# Altium PCB BEE_BOARD_PCB ASCII REV Project_PCB_Rev.Project_SCH_Rev.PcbDoc (part 2 of 3)
Units mm, origin at the board's own origin, x right, y up, seen from the top; angles counter-clockwise.
Board outline 57.11 x 51.96 mm, 8 copper layers (Top, GND_1, Signal_1, GND_2, PWR, Signal_2, GND_3, Bottom), stack 1.6 mm thick; 171 components, 98 nets, 601 pads, 290 vias.
Unrouted connection lines stored in the file: 8.
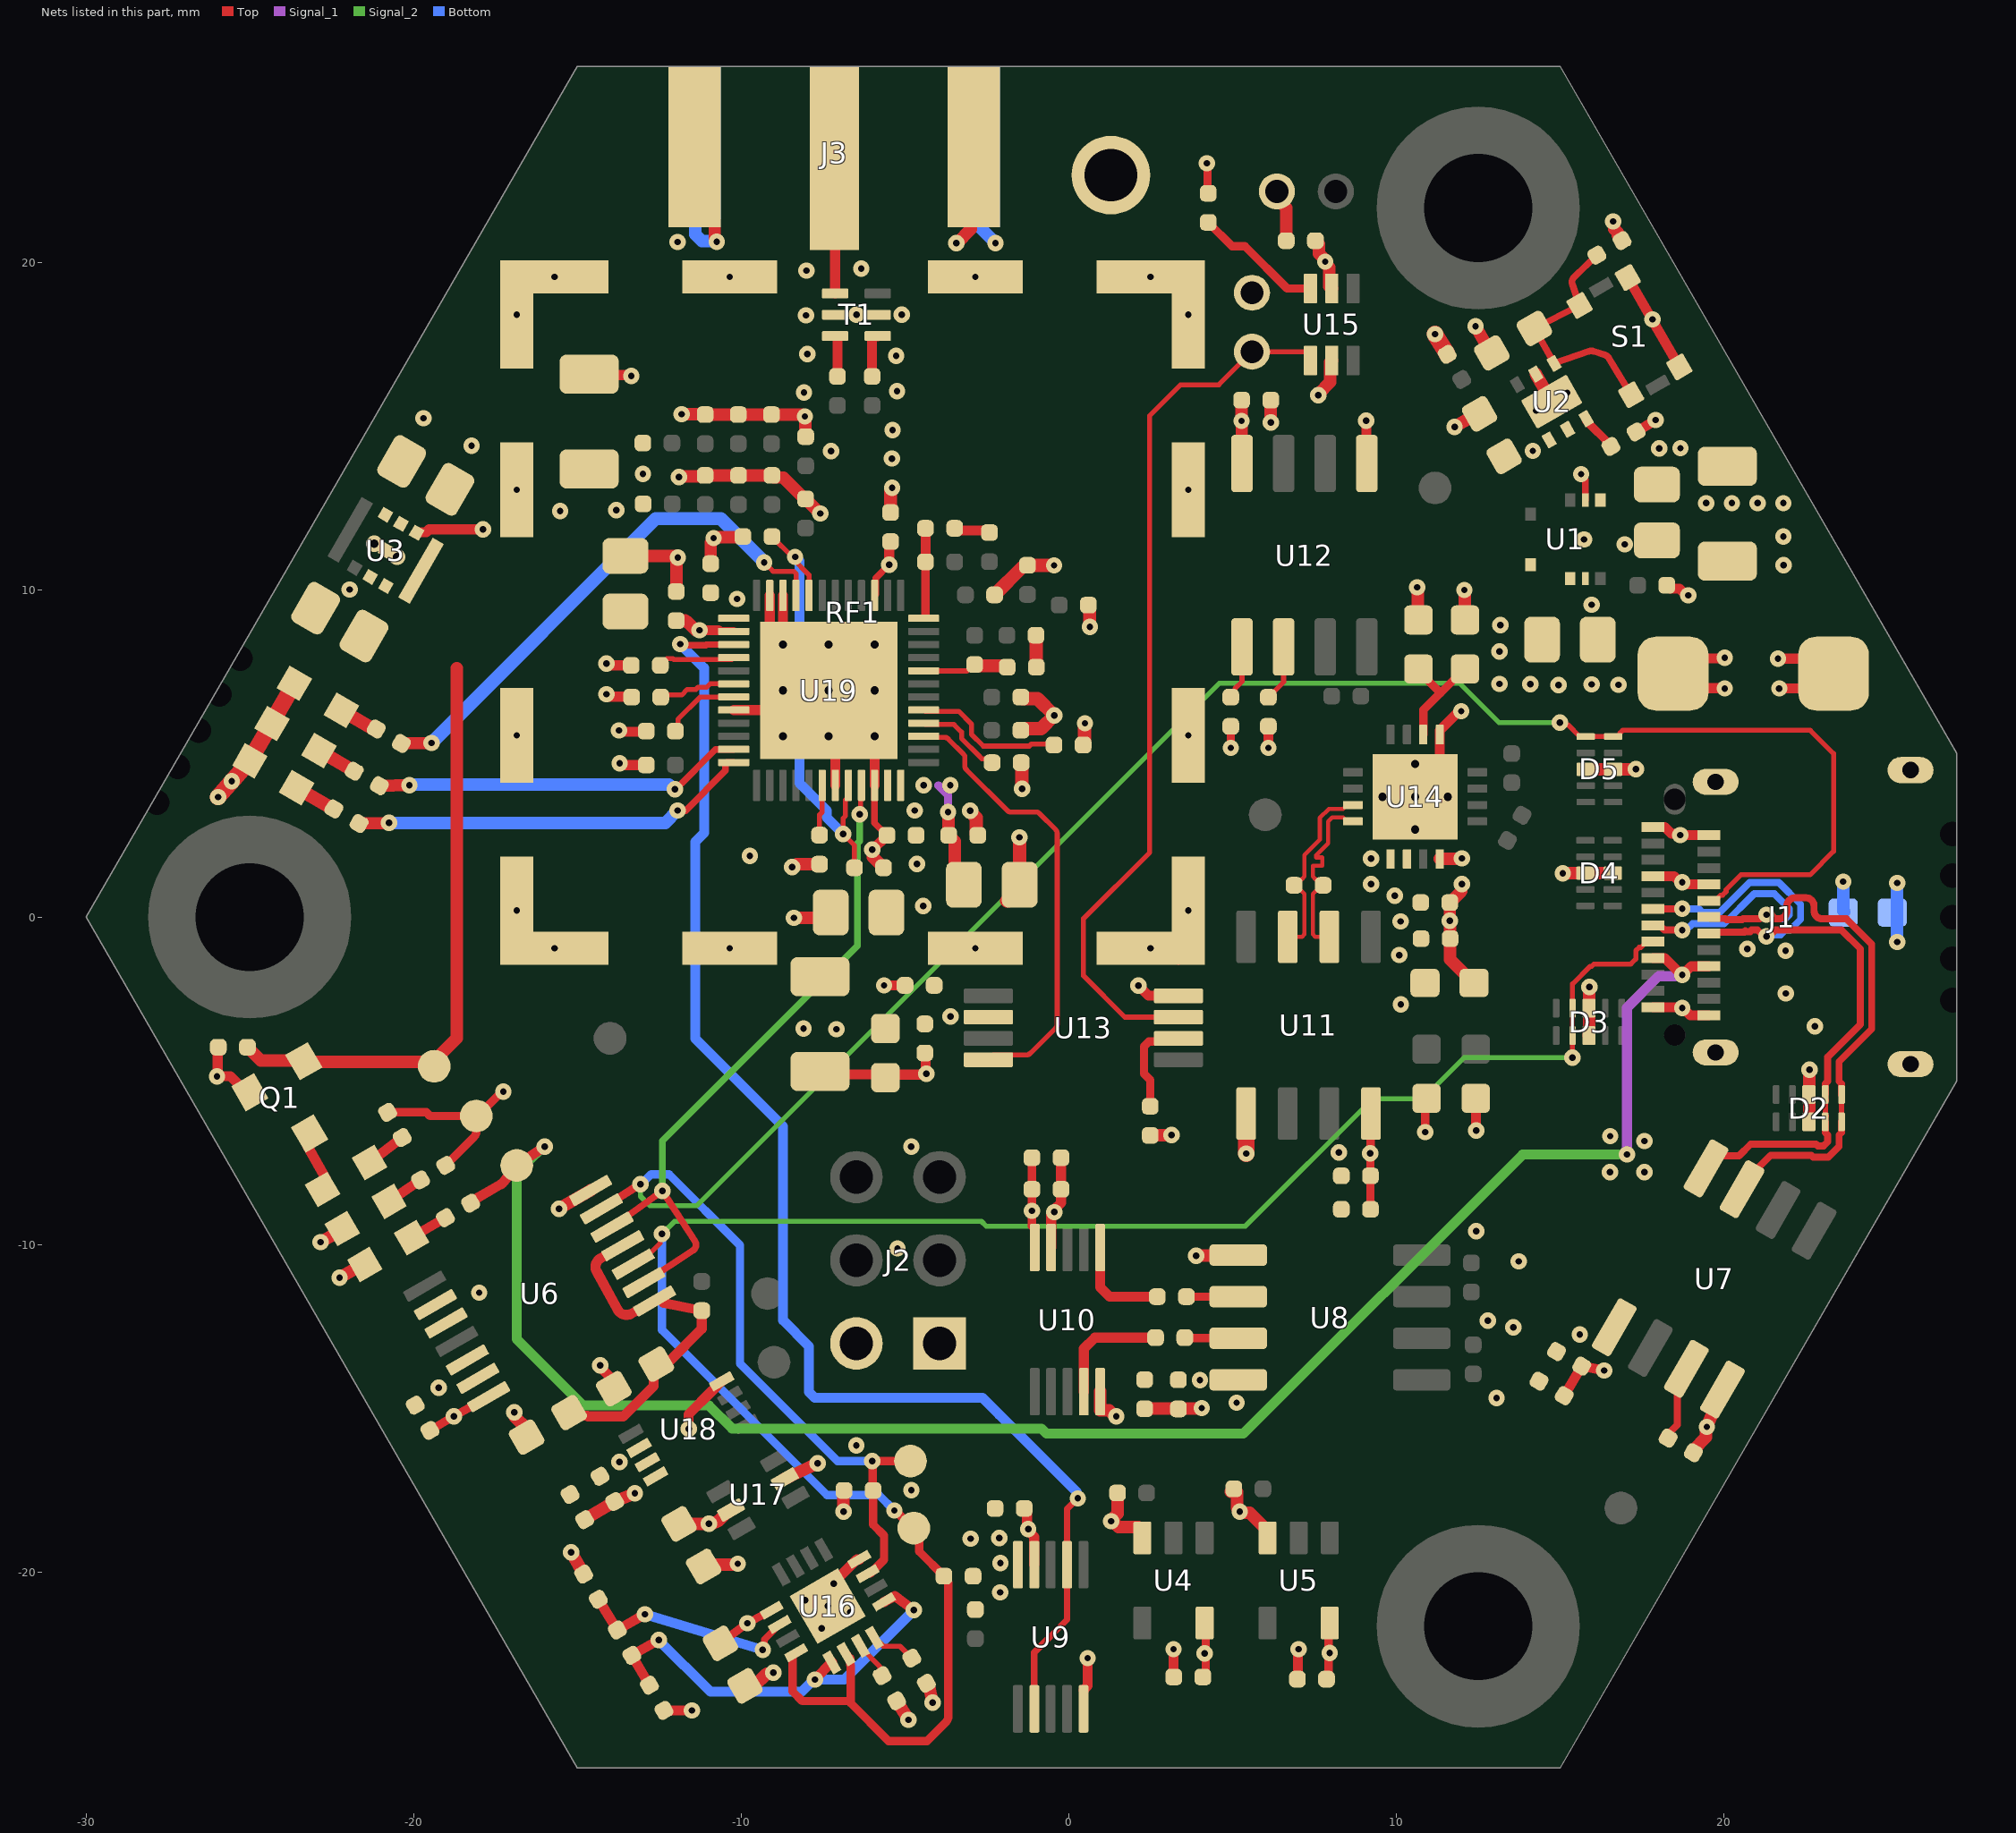
[diagram p8: the nets of this part, all layers, seen from the top]

## Part data
1V8 3V3 5V CC1 CC2 Pulse SEL SEL#: library part TPO_SMD_ROUND_1MM, "TPO - TEST POINT ROUND SMD PAD ONLY  - 1 MM"
C1 C36 C40: library part CAP_CER_CL31A226KAHNNNE, "CAP - CER 22uF 10% 25V X5R - 1206"
C2 C4 C19 C20 C24 C27 C32 C33: library part CAP_CER_C0603C105K8PACTU, "CAP - CER 1uF 10V 10% X5R - 0603"
C3 C7 C39 C45 C62: library part CAP_CER_C2012X7R1E475K125AE, "CAP - CER 4.7UF 10% 25V X7R - 0805"
C5 C8: library part CAP_CER_GRM21BR61C106KE15K, "CAP - CER 10UF 10% 16V X5R - 0805"
C6 C9 C10 C12 C16 C22 C25 C26 C29 C31 C34 C35 C37 C38 C41 C42 C43 C44 C47 C48 C49 C55 C56 C57 C58 C61 C63 C64 C66: library part CAP_CER_CGA2B3X7R1E104K050BB, "CAP - CER 0.1µF 10% 25V X7R - 0402"
C11 C13 C17 C46 C51: library part CAP_CER_CL05B103KA5NNNC, "CAP - CER 10nF 10% 25V X7R - 0402"
C14 C15 C21: library part CAP_CER_JMK105B7474KVHF, "CAP - CER 470nF 6.3V X7R - 0402"
C23 C28 C30 C50 C53: library part CAP_CER_CC0402KRX7R9BB102, "CAP - CER 1nF 10% 50V X7R - 0402"
C52 C54 C59 C60: library part CAP_CER_CC0402JRNPO9BN120, "CAP - CER 12pF 50V ±5% C0G, NP0 - 0402"
C65: library part CAP_CER_CC0402JRNPO9BN101, "CAP - CER 100pF 50V ±5% C0G,CP0 - 0402"
C67: library part CAP_CER_GRM1555C1H180GA01D, "CAP - CER 18pF 50V C0G, NPO - 0402"
C68: library part CAP_CER_CC0402JRNPO9BN270, "CAP - CER 27pF 50V ±5% C0G, NP0 - 0402"
C69: library part CAP_CER_C0402C129C5GACTU, "CAP - CER 1.2pF 50V ±0.25pF C0G, NP0 - 0402"
C70: library part CAP_CER_CC0402KRX7R9BB821, "CAP - CER 820pF 50V ±10% X7R - 0402"
CLK SYNC: library part TPO_TH_ROUND_0.7mm_DOUBLE, "TPO - TH round 0.7mm double - 2-SMD"
D1: library part TVS_PWR_SMBJ5.0A, "TVS - BIDIR 5V 9.2V 600W - DO214AA"
D2 D3 D4 D5: library part TVS_DATA_DT1140-04LP-7, "TVS - DIODE 5.5V 10V - 10-UFDFN"
D6 D7 D8 D9 D10 D11: library part LED_SML-D12P8WT86, "LED - GREEN DIFFUSED 0603 SMD - 0603"
FID1 FID2 FID3: library part FID_CIRCLE_1MM, "FID - FIDUCIAL 1MM CIRCLE DOUBLE-SIDED - 1MM"
GND: library part TPO_5011, "TPO - TEST POINT - TH"
J1: library part CON_USB_3.2_TypeC_12401598E4#2A, "CON_USB - USB 3.2 Gen 2 (USB 3.1 Gen 2, Superspeed + (USB 3.1)) 24 pos Receptacle - R/A"
J2: library part CON_HDR_10129381-906002BLF, "CON - Header 6 positions 3x2  0.100\" - 6-TH"
J3: library part CON_SMA_CONSMA020.062-G, "CON_SMA FML EDGE MNT 0.062\" PCB - 5-SMD"
L1 L2: library part FER_BLM15AG601SN1D, "FER - FERRITE BEAD 600 OHM@100MHz - 0402"
MB1 MB2: library part PNL_MOUSEBITES_100MIL_5-HOLES, "PNL - MOUSE BITES 100 MIL - 5-TH"
MTH1 MTH2 MTH3: library part MTH_M3, "MTH - MOUNTING HOLE M3 PLATED - M3"
Q1: library part TRX_NMOS_BSS138LT1G, "TRX - NMOS - 50V 200MA - SOT-23-3"
R1: library part RES_ERJ-2RKF4020X, "RES - 402R 1% 1/10W - 0402"
R2 R4 R32 R33 R34: library part RES_ERJ-2RKF4750X, "RES - 475R 1% 1/10W- 0402"
R3 R9 R12 R23 R24 R38 R39 R41: library part RES_RC0402FR-0710KL, "RES - 10K OHMS 1% 1/16W - 0402"
R5 R6: library part RES_RC0402FR-0784R5L, "RES - 84R5 1% 1/16W - 0402"
R7 R19 R20: library part RES_RC0402FR-071KL, "RES - 1K OHM 1% 1/16W - 0402"
R8 R25 R26 R27 R28 R29 R31 R40 R42 R43: library part RES_RC0402FR-07100KL, "RES - 100K 1% 1/16W - 0402"
R10 R11: library part RES_RC0402FR-0733RL, "RES - 33 OHM 1% 1/16W - 0402"
R13 R14 R15 R16 RS: library part RES_RC0603JR-070RL, "RES - 0 ohm jumper 1/10W - 0603"
R17 R18: library part RES_RC0402FR-07100RP, "RES - 100R OHM 1% 1/16W - 0402"
R21 R22: library part RES_RMCF0402FT562R, "RES - 562R ±1% 0.063W, 1/16W Chip Resistor 0402"
R30: library part RES_RMCF0402FT200K, "RES -  200k ±1% 0.063W, 1/16W Chip Resistor 0402 (1005 Metric) Automotive AEC-Q200 Thick Film"
R35: library part RES_RC0402FR-0711KL, "RES - 11K 1% 1/16W - 0402"
R36: library part RES_RC0402FR-0716KL, "RES - 16k OHM 1% 1/16W - 0402"
R37: library part RES_RC0402FR-07270RL, "RES - 270R 1% 1/16W - 0402"
RF1: library part RF_SH_BASE_36103205S, "RF_SH -  BASE RF SHIELD 0.787\" X 0.787\" SMD"
S1: library part SWI_TACT_435171014816, "SWI - SWITCH TACTILE SPST-NO 0.05A 12V -SMD"
T1: library part XFR_HHM1595A1, "XFR - Imp Unbalaced/Balanced 50/100 3-8GHz  -SMD"
U1: library part REG_SWR_XCL214B333DR, "REG_DC DC CONVERTER 3.3V 5W_9-PowerTFQFN"
U2: library part POW_TPS3808G33DRVR, "POW - Programmable-Delay Supervisory Circuit Open Drain - 6WSON"
U3: library part REG_SWR_MYRGP180100W21RA, "REG_DC DC CONVERTER 1.8V 1.8W_8-PowerTDFN"
U4 U5: library part LOG_BUF_74AHC1G07GV,125, "LOG_BUF - Buffer non-inverting Open Drain - SC-74A"
U6: library part LOG_BUF_74LVC126APW,118, "LOG_BUF - Quad Buffer non-inverting 3-States - 14-TSSOP"
U7: library part COM_XCV_FIN1027AMX, "COM_XCV - 3V3 LVCMOS to LVDS, 2 bits, High-SPEED, DIFF driver - SOIC-8"
U8 U12: library part COM_XCV_FIN1028MX, "COM_XCV - 3V3 LVDS to LVCMOS, 2 bits, High-SPEED, DIFF receiver - SOIC-8"
U9 U10: library part LOG_MUX_TMUX154EDGSR, "LOG_MUX -  SWITCH SPDT DUAL 2:1 - 10-VSSOP"
U11: library part TIM_BUF_PI6C49CB01Q3WEX, "TIM_BUF - Clock Translator IC 1:1 LVDS-LVCMOS -  8-SOIC"
U13: library part COM_BUF_LMK1C1102PWR, "COM - BUF - Clock buffer 3V3, 2V5, 1V8 2 Channel - TSSOP 8"
U14: library part TIM_MUX_DS25CP102TSQ/NOPB, "TIM_MUX - Crosspoint Switch 1 x 2:2 3.125Gbps - 16-WQFN (4x4)"
U15: library part LOG_FLIPFLOP_SN74LVC1G175DCKT, "LOG_FLIPFLOP - Single D flip-flop with Asynchronous clear - SOT-363"
U16: library part CMP_LM339LVRTER, "COMP - Quad Comparator General Purpose Open-Drain, Rail-to-Rail - 16-WQFN (3x3)"
U17: library part LOG_XOR_74LVC1G386GW,125, "LOG -  XOR (Exclusive OR) IC 1 Channel 3 inputs- 6-TSSOP"
U18: library part LOG_FLIPFLOP_74LVC1G74DC,125, "LOG_FLIPFLOP - D-Type Flip Flop Bit Positive Edge with asynchronous operation - 8-VSSOP"
U19: library part COM_XCV_DW1000-I-TR13, "COM - IC RF TxRx 802.15.4 IR-UWB DECAWAVE - 48-VFQFN EP"

## Via types
v1: diameter 0.5, hole 0.2, Top to Bottom, tented both sides, 274 vias
v2: diameter 0.5, hole 0.25, Top to Bottom, tented both sides, 16 vias

## Nets (pads, with @x,y where several pads share a name; then routed paths per layer and width w, separated by ;. In a path a pad name is that pad's centre, name@x,y a point inside that pad or via, vN(x,y) a via of type N, cw(c..) or ccw(c..) an arc to the next point about the centre after c; other vN are vias at no path point)
0V825_REF: R30.1 R31.2 U16.5 U16.9 | length 13.3
  Top w0.305: R31.2@-12.8,-23.452 R30.1@-13.337,-22.539 v1(-12.515,-22.073) ; v1(-7.744,-23.281) -7.744,-23.268 U16.5@-7.23,-22.754 ; U16.9@-5.638,-20.911 -5.305,-20.724 v1(-4.729,-21.159)
  Bottom w0.305: v1(-12.515,-22.073) -10.936,-23.652 -8.154,-23.652 -7.783,-23.281 v1(-7.744,-23.281) -6.85,-23.281 v1(-4.729,-21.159)
1V8: 1V8.1 C8.2 C39.2 C43.2 C62.2 C66.2 Q1.1 R3.1 U3.3 U3.8 U19.26 U19.48 | length 23.7
  Top w0.254: U19.26@-10.663,8.732 U19.26@-10.234,8.732
  Top w0.305: C8.2@-21.238,8.914 C8.2@-21.238,8.969 ; v1(-11.268,8.76) U19.26@-10.69,8.76
  Top w0.381: R3.1@-25.072,-3.971 -24.669,-4.374 -23.378,-4.374 Q1.1@-23.353,-4.399 -23.328,-4.424 -19.668,-4.424 -19.656,-4.435 -19.489,-4.435 1V8.1@-19.371,-4.553 -19.371,-4.386 -18.676,-3.691 -18.676,7.606 ; C66.2@-11.98,9.056 -11.719,9.056 -11.683,9.019 -11.647,9.019 -11.387,8.76 v1(-11.268,8.76) ; v1@-3.682,3.275 v1(-3.682,3.208) -3.673,3.199 -3.673,2.506 C43.2@-3.664,2.497 -3.482,2.315 -3.482,1.502 -3.139,1.159 C39.2@-3.009,1.159
  Signal_1 w0.254: -3.98,4.024 -3.682,3.726 v1(-3.682,3.208)
  other v1: -4.429,4.028 -3.616,4.028
2V475_REF: R29.1 R30.2 U16.2 | length 6.8
  Top w0.203: v1(-9.34,-22.369) -9.293,-22.322 -9.293,-22.063 U16.2@-8.823,-21.595 U16.2@-8.823,-21.595
  Top w0.305: R29.1@-14.362,-20.829 R30.2@-13.781,-21.769 v1(-12.94,-21.287)
  Bottom w0.305: v1(-12.94,-21.287) v1(-9.34,-22.369)
3V3: 3V3.1 C4.1 C5.2 C7.2 C9.2 C10.2 C11.2 C12.1 C13.2 C14.2 C15.2 C16.2 C17.2 C21.2 C22.2 C23.2 C24.1 C25.2 C26.2 C27.1 C28.2 C29.2 C30.2 C31.1 C32.1 C33.1 C34.2 C35.2 C36.2 C40.2 C41.2 C45.2 C47.2 C49.2 L1.1 L2.1 R2.2 R4.1 R13.2 R15.2 R19.2 R23.2 R24.2 R25.2 R28.2 R29.2 R38.1 R39.1 R40.2 R41.2 R42.2 U1.4 U1.9 U2.1 U2.2 U3.4 U3.6 U4.5 U5.5 U6.14 U7.1 U8.8 U9.10 U10.10 U11.8 U12.8 U13.6 U14.13 U14.14 U14.16 U15.5 U16.1 U17.5 U18.6 U18.7 U18.8 U19.15 U19.25 U19.47 | length 37.8
  Top w0.152: U19.15@-5.926,9.824 U19.15@-5.892,9.857 ; v1@-5.485,10.76 v1(-5.478,10.76) ; C47.2@-5.478,11.308 -5.378,11.408 C47.2@-5.437,11.467
  Top w0.203: U19.15@-5.892,9.857 -5.892,10.353 v1@-5.485,10.76
  Top w0.254: R4.1@-20.792,-5.959 -19.609,-5.959 -19.497,-6.072 3V3.1@-18.084,-6.072 ; C12.1@-19.503,-15.673 v1(-18.77,-15.243) U6.14@-17.708,-14.645 ; R2.2@-19.019,-7.58 -18.158,-6.719 ccw(c-18.338,-6.54) -18.084,-6.54 3V3.1@-18.084,-6.072 ; v1(-17.26,-5.328) -17.3,-5.328 -18.044,-6.072 3V3.1@-18.084,-6.072 ; C32.1@-10.633,-22.175 v1(-9.807,-21.558) U16.1@-9.073,-21.162 ; C21.2@-1.123,-7.346 C17.2@-1.123,-8.309 v1(-1.123,-8.967) -1.123,-9.431 -1.038,-9.516 U10.10@-1.038,-10.091 ; R23.2@2.488,-6.664 R23.2@2.488,-6.664 R23.2@2.494,-6.658 ; v1@3.135,-6.658 v1(3.14,-6.652) ; C10.2@4.095,-23.202 4.183,-23.113 4.183,-22.514 v1(4.15,-22.48) ; U4.5@4.149,-21.554 4.183,-21.589 v1@4.183,-22.48 ; v1(4.219,23.018) 4.24,22.997 4.24,22.123 R24.2@4.261,22.103 ; v1(4.948,5.167) R19.2@4.948,5.827 ; C9.2@7.89,-23.141 7.931,-23.1 7.931,-21.595 U5.5@7.971,-21.554 ; C22.2@9.212,-8.923 C23.2@9.212,-7.899 9.209,-7.896 9.209,-7.22 v1(9.205,-7.217) 9.217,-7.205 9.217,-6.011 U11.8@9.228,-6 ; v1(10.636,10.071) v1@10.656,10.051 ; R15.2@10.656,9.094 R15.2@10.675,9.074 ; v1(10.886,-6.564) 10.886,-5.573 R13.2@10.925,-5.534 ; R42.2@11.553,17.186 R42.2@11.553,17.301 ; C5.2@14.415,8.441 C5.2@14.449,8.475
  Top w0.305: U3.4@-19.907,11.74 -19.895,11.751 -19.613,11.751 -19.523,11.841 v1(-17.885,11.841) ; v1@-14.131,6.733 -13.357,6.733 R38.1@-13.341,6.717 ; v1(-14.111,6.806) v1@-14.095,6.79 ; v1@-13.744,4.644 -12.9,4.644 R39.1@-12.897,4.647 ; v1(-5.478,10.76) C47.2@-5.478,11.308
  Top w0.381: v1(-15.186,-19.395) R29.2@-14.807,-20.059 ; C33.1@-11.896,-18.529 -11.56,-18.628 -11.56,-18.544 -11.545,-18.53 -10.986,-18.53 v1(-10.981,-18.525) -10.936,-18.514 cw(c-10.843,-18.883) -10.918,-18.51 -10.844,-18.495 ccw(c-10.919,-18.121) -10.649,-18.391 -10.485,-18.226 ccw(c-10.755,-17.958) -10.466,-18.206 -10.486,-18.218 U17.5@-10.309,-18.105 ; R28.2@-4.346,-23.395 -4.297,-23.466 cw(c-4.611,-23.682) -4.24,-23.597 v1(-4.152,-23.982) ; R23.2@2.494,-6.658 v1@3.135,-6.658 ; C25.2@5.28,15.789 5.279,15.788 v1(5.277,15.152) v1(5.277,15.152) 5.284,15.146 5.284,13.856 U12.8@5.29,13.85 ; C31.1@7.53,20.656 7.642,20.544 7.642,20.256 7.828,20.07 v1(7.828,20.016) 7.828,19.963 7.957,19.834 7.957,19.27 U15.5@8.03,19.197 ; R15.2@10.656,9.094 v1@10.656,10.051 ; U14.16@11.325,1.775 11.325,1.783 11.327,1.785 11.994,1.785 v1(12.005,1.795) ; v1(16.622,21.247) 16.659,21.209 16.659,21.007 16.765,20.902 16.765,20.818 16.893,20.69 R40.2@16.893,20.658
  Top w0.508: v1(11.183,17.804) R42.2@11.553,17.186
  other v1: 7.968,-22.469 -2.09,-20.62 -2.088,-19.725 -2.998,-18.979 -2.118,-18.958 -13.712,-16.64 5.126,-14.827 4.005,-14.141 15.602,-12.745 -7.089,-3.424 -8.095,-3.401 -3.611,-3.032 10.137,-2.665 10.094,-1.158 10.132,-0.129 -4.442,0.34 9.952,0.656 9.228,1.009 -4.634,1.625 9.228,1.785 -4.704,3.254 -13.708,4.701 14.954,7.084 13.149,7.124 14.096,7.117 13.149,8.115 13.177,8.92 -10.126,9.717 -15.526,12.403 -13.813,12.431 -13,13.535 14.169,14.239 -19.697,15.234
5V: 5V.1 C1.2 C3.2 D1.1 J1.A4 J1.A9 J1.B4 J1.B9 R1.2 R43.2 U1.1 | length 62.8
  Top w0.305: R1.2@-18.258,-8.733 -18.188,-8.651 -17.333,-8.158 ccw(c-17.486,-7.894) -17.247,-8.083 5V.1@-16.85,-7.58 v1(-15.996,-7.01) ; J1.A4@17.84,-1.25 17.842,-1.252 18.202,-1.252 18.693,-1.744 18.693,-1.765 18.746,-1.765 19.009,-1.502 19.538,-1.502 J1.B9@19.54,-1.5 ; J1.A9@17.84,1.25 17.842,1.248 18.485,1.248 18.733,1 J1.B4@19.54,1 ; D1.1@18.258,7.628 D1.1@18.45,7.436 ; R43.2@18.258,10.133 18.359,10.032 18.652,10.032 18.86,9.824 v1(18.913,9.824) ; v1(20.027,6.983) 20.02,6.99 18.895,6.99 D1.1@18.45,7.436 ; v1(20.027,7.924) 20.002,7.898 18.913,7.898 D1.1@18.45,7.436
  Signal_1 w0.305: v1(17.043,-7.245) 17.043,-2.771 18.011,-1.803 18.656,-1.803 v1@18.693,-1.765
  Signal_2 w0.305: v1(-15.996,-7.01) -16.049,-7.01 -16.517,-7.479 -16.571,-7.479 -16.85,-7.758 -16.85,-12.885 -14.829,-14.906 -10.986,-14.906 -10.273,-15.619 -0.831,-15.619 -0.678,-15.772 5.335,-15.772 13.861,-7.245 v1(17.043,-7.245)
  other v1: 18.73,-1.765 18.73,1.068 19.459,12.642 20.244,12.642 21.029,12.642 21.814,12.642 18.028,14.311 18.677,14.321
BB_CLK: CLK.2 U13.3 U15.1 | length 27.3
  Top w0.152: U13.3@3.348,-3.053 1.713,-3.053 0.448,-1.788 0.448,-0.047 2.472,1.977 2.472,15.311 3.415,16.254 4.582,16.254 CLK.2@5.595,17.266 7.269,17.266 7.381,17.155 U15.1@7.381,16.997
CC1: CC1.1 D3.4 D3.7 J1.A5 R25.1 U6.3 U16.4 U16.6 | length 64.8
  Top w0.152: U6.3@-13.292,-10.594 -13.109,-10.594 -12.475,-9.96 -12.475,-9.729 v1(-12.418,-9.672) ; v1(15.376,-4.293) 15.379,-4.29 15.379,-2.783 D3.4@15.381,-2.78 15.381,-2.281 15.382,-2.28 15.382,-2.04 15.922,-1.5 15.966,-1.5 16.034,-1.432 17.158,-1.432 17.312,-1.278 17.312,-1.026 17.416,-0.922 17.468,-0.922 17.64,-0.75 J1.A5@17.84,-0.75
  Top w0.254: U16.4@-8.323,-22.461 -8.428,-22.566 -8.428,-23.645 -8.133,-23.939 -6.716,-23.939 -6.656,-23.999 ; U16.6@-6.797,-22.504 -6.671,-22.629 -6.671,-22.836 -6.656,-22.851 -6.656,-23.999 ; v1(-5.323,-18.12) -5.294,-18.12 -4.758,-18.656 CC1.1@-4.729,-18.656 -4.566,-18.818 -4.566,-19.366 R25.1@-3.809,-20.124 -3.748,-20.185 cw(c-3.927,-20.365) -3.673,-20.365 -3.673,-24.399 cw(c-3.927,-24.399) -3.748,-24.579 -4.325,-25.157 -5.499,-25.157 -6.656,-23.999
  Signal_2 w0.152: v1(-12.418,-9.672) -12.033,-9.288 -2.666,-9.288 -2.52,-9.434 5.391,-9.434 9.278,-5.548 10.81,-5.548 12.066,-4.292 v1@15.378,-4.292
  Bottom w0.254: v1(-12.418,-9.672) -12.418,-12.604 -7.375,-17.646 -5.796,-17.646 v1(-5.323,-18.12)
CC2: CC2.1 D5.5 D5.6 J1.B5 R26.2 U6.6 U16.11 | length 71.4
  Top w0.152: v1(14.993,5.942) 15.059,5.875 15.239,5.875 15.6,5.514 D5.6@15.783,5.514 16.8,5.514 16.824,5.538 16.824,5.616 16.914,5.705 22.637,5.705 23.35,4.992 23.35,2.008 22.635,1.293 20.92,1.293 20.524,1.293 20.068,0.837 20.068,0.776 19.964,0.672 19.903,0.672 19.814,0.583 19.814,0.574 19.74,0.5 J1.B5@19.54,0.5
  Top w0.254: U6.6@-14.267,-8.906 v1(-13.073,-8.152) ; U16.11@-6.138,-20.045 -6.061,-20.045 -5.638,-19.622 -5.638,-18.885 -5.973,-18.55 R26.2@-5.973,-17.506 -5.973,-17.492 -5.987,-17.478 -5.987,-16.624 v1(-6,-16.61) CC2.1@-4.831,-16.61
  Signal_2 w0.152: v1(-13.073,-8.152) -13.072,-8.523 -12.781,-8.814 -11.356,-8.814 4.604,7.145 11.93,7.145 13.133,5.942 v1(14.993,5.942)
  Bottom w0.254: v1(-13.073,-8.152) -13.045,-8.152 -12.749,-7.856 -12.196,-7.856 -10.033,-10.018 -10.033,-13.634 -7.057,-16.61 v1(-6,-16.61)
CLK_BB_LVDS_N: R17.1 U11.3 U14.11 | length 5.7
  Top w0.127: U11.3@6.688,-0.6 7.122,-0.6 7.196,-0.526 7.196,0.165 7.198,0.167 7.198,0.71 7.124,0.784 7.119,0.784 R17.1@6.929,0.975 ; R17.1@6.88,0.975 R17.1@6.929,0.975 ; U14.11@8.675,3.425 8.5,3.425 8.377,3.302 8.184,3.302 7.941,3.302 7.665,3.026 7.665,2.361 7.198,1.894 7.198,1.24 7.124,1.165 7.119,1.165 R17.1@6.929,0.975
CLK_BB_LVDS_P: R17.2 U11.2 U14.12 | length 5.7
  Top w0.127: R17.2@7.769,0.975 R17.2@7.721,0.975 ; U11.2@7.958,-0.6 7.525,-0.6 7.45,-0.526 7.45,0.06 7.452,0.061 7.452,0.71 7.526,0.784 7.531,0.784 R17.2@7.721,0.975 ; U14.12@8.675,2.925 8.5,2.925 8.377,3.048 8.079,3.048 8.046,3.048 7.919,2.921 7.919,2.256 7.559,1.896 7.559,1.822 7.738,1.822 7.738,1.568 7.452,1.568 7.452,1.25 7.452,1.24 7.526,1.165 7.531,1.165 R17.2@7.721,0.975
CLK_OUT: U13.8 U19.3 | length 13.9
  Top w0.152: U19.3@-4.426,5.524 -4.392,5.49 -3.788,5.49 cw(c-3.788,5.337) -3.681,5.446 -3.212,4.978 cw(c-3.321,4.87) -3.168,4.87 -3.168,4.611 ccw(c-3.016,4.611) -3.124,4.504 -1.875,3.255 ccw(c-1.768,3.363) -1.769,3.211 -1.001,3.211 cw(c-1.001,3.058) -0.894,3.167 -0.396,2.668 cw(c-0.504,2.561) -0.351,2.561 -0.351,-3.274 cw(c-0.504,-3.274) -0.395,-3.381 -1.174,-4.161 cw(c-1.282,-4.052) -1.282,-4.205 -2.303,-4.205 U13.8@-2.452,-4.353
D_N: D2.4 D2.7 J1.A7 J1.B7 U7.8 | length 22.5
  Top w0.165: D2.4@23.095,-6.076 D2.7@23.095,-5.59
  Top w0.216: J1.A7@17.84,0.25 17.842,0.252 18.713,0.252 v1@18.715,0.254 ; U7.8@19.455,-7.672 19.837,-7.29 20.462,-7.29 20.824,-6.928 22.813,-6.928 22.868,-6.984 23.047,-6.984 23.173,-6.857 23.173,-6.652 23.103,-6.582 23.103,-6.259 D2.4@23.095,-6.251 D2.4@23.095,-6.076 ; J1.B7@19.54,-0.5 19.582,-0.458 20.623,-0.458 20.66,-0.421 20.68,-0.442 20.804,-0.442 20.85,-0.396 21.029,-0.396 21.223,-0.59 v1(21.3,-0.59) 21.377,-0.59 21.571,-0.396 23.595,-0.396 24.17,-0.971 24.17,-3.274 23.173,-4.27 23.173,-5.014 23.103,-5.085 23.103,-5.408 D2.7@23.095,-5.416 D2.7@23.095,-5.59
  Bottom w0.216: v1@18.715,0.254 18.716,0.255 19.237,0.255 19.353,0.139 19.866,0.139 20.785,1.058 21.68,1.058 22.343,0.395 22.343,-0.068 22.016,-0.396 21.874,-0.396 21.734,-0.536 21.354,-0.536 v1(21.3,-0.59)
  other v1: 18.73,0.254
D_P: D2.5 D2.6 J1.A6 J1.B6 U7.7 | length 22.5
  Top w0.165: D2.5@23.587,-6.243 D2.6@23.587,-5.424
  Top w0.216: J1.A6@17.84,-0.25 18.04,-0.25 18.18,-0.39 18.762,-0.39 v1@18.771,-0.4 ; J1.B6@19.54,0 19.582,-0.042 20.04,-0.042 20.077,-0.079 20.558,-0.079 20.584,-0.053 21.029,-0.053 21.098,-0.053 21.223,0.072 v1(21.3,0.072) ; U7.7@20.555,-8.307 20.555,-8.145 21.429,-7.271 22.671,-7.271 22.726,-7.327 23.189,-7.327 23.516,-6.999 23.516,-6.652 23.587,-6.582 23.587,-6.259 D2.5@23.595,-6.251 D2.5@23.587,-6.243 ; v1@21.3,0.142 21.377,0.142 21.571,-0.053 21.679,-0.053 ccw(c21.679,0.195) 21.927,0.195 21.927,0.342 cw(c22.175,0.342) 22.175,0.589 22.505,0.589 cw(c22.505,0.342) 22.752,0.342 22.752,0.195 ccw(c23,0.195) 23,-0.053 23.737,-0.053 23.801,-0.117 24.513,-0.829 24.513,-3.416 23.516,-4.412 23.516,-5.014 23.587,-5.085 23.587,-5.408 D2.6@23.595,-5.416 D2.6@23.587,-5.424
  Bottom w0.216: v1@18.771,-0.4 18.848,-0.4 19.044,-0.204 20.008,-0.204 20.927,0.716 21.538,0.716 22,0.253 22,0.074 21.874,-0.053 21.502,-0.053 21.377,0.072 v1(21.3,0.072)
  other v1: 18.73,-0.4
DW_IRQ_BB: U6.2 U6.5 U19.45 | length 20.7
  Top w0.152: v1(-6.384,3.144) -6.355,3.173 -6.355,3.994 U19.45@-6.326,4.024
  Top w0.203: U6.5@-13.942,-9.469 v1(-12.405,-8.361) -11.411,-9.899 cw(c-11.581,-10.01) -11.47,-10.18 U6.2@-12.967,-11.157
  Signal_2 w0.203: v1(-12.405,-8.361) -12.405,-6.834 -6.451,-0.88 -6.451,2.25 -6.384,2.317 v1(-6.384,3.144)
DW_RESET_BB: U9.2 U9.7 U19.27 | length 43
  Top w0.203: v1(-11.86,8.339) -11.827,8.306 -11.081,8.306 -11.063,8.324 U19.27@-10.226,8.324 ; U9.2@-1.05,-24.175 -1.05,-22.451 -0.05,-21.451 U9.7@-0.05,-19.775 -0.05,-18.075 v1(0.278,-17.747)
  Bottom w0.305: v1(-11.86,8.339) -11.126,7.605 -11.126,2.576 -11.398,2.304 -11.398,-3.71 -8.727,-6.382 -8.727,-12.305 -7.93,-13.102 -7.93,-14.5 -7.751,-14.678 -2.635,-14.678 -2.118,-15.196 0.25,-17.564 0.25,-17.719 v1(0.278,-17.747)
EQ: R15.1 R16.2 U14.6 | length 3.5
  Top w0.254: R15.1@10.654,7.551 10.654,7.539 11.344,6.849 11.35,6.843 12.083,7.576 R16.2@12.1,7.576 ; U14.6@10.825,5.575 10.825,6.33 11.345,6.85
EXTON: R34.2 U19.21 | length 16.3
  Top w0.152: v1(-9.298,10.833) -9.024,10.559 -8.396,10.559 -8.315,10.478 -8.315,9.835 U19.21@-8.326,9.824
  Top w0.381: R34.2@-20.371,5.301 v1(-19.456,5.321)
  Bottom w0.406: v1(-19.456,5.321) -12.608,12.168 -10.621,12.168 -9.298,10.845 v1(-9.298,10.833)
GND: C1.1 C2.2 C3.1 C4.2 C5.1 C6.1 C7.1 C8.1 C9.1 C10.1 C11.1 C12.2 C13.1 C14.1 C15.1 C16.1 C17.1 C19.2 C20.2 C21.1 C22.1 C23.1 C24.2 C25.1 C26.1 C27.2 C28.1 C29.1 C30.1 C31.2 C32.2 C33.2 C34.1 C35.1 C36.1 C37.1 C38.1 C39.1 C40.1 C41.1 C42.1 C43.1 C44.1 C45.1 C46.1 C47.1 C48.1 C49.1 C50.1 C51.1 C52.1 C53.1 C54.1 C55.1 C56.1 C57.1 C58.1 C61.1 C62.1 C63.1 C64.2 C65.1 C66.1 CLK.1 D1.2 D2.3 D2.8 D3.3 D3.8 D4.3 D4.8 D5.3 D5.8 D6.K D7.K D9.K D10.K D11.K GND.1 J1.A1 J1.A12 J1.B1 J1.B12 J2.1 J2.2 J3.2 J3.3 J3.4 J3.5 Q1.2 R3.2 R7.1 R9.2 R12.2 R14.1 R16.1 R20.2 R26.1 R27.2 R31.1 R35.1 RF1.1 RS.1 S1.1 S1.2 SYNC.1 T1.2 T1.5 U1.2 U1.5 U1.7 U2.5 U2.7 U3.2 U3.5 U3.9 U4.3 U5.3 U6.7 U6.9 U6.10 U6.12 U6.13 U7.4 U8.5 U9.5 U9.9 U10.5 U10.9 U11.5 U12.5 U13.4 U14.5 U14.17 U15.2 U16.12 U16.17 U17.2 U18.4 U19.22 U19.23 U19.32 U19.43 U19.46 U19.49 | length 147
  Top w0.203: U19.46@-5.926,4.024 -5.926,2.875 C49.1@-5.548,2.497 ; v1(15.645,13.528) 15.645,13.488 15.77,13.363 U1.2@15.77,12.734
  Top w0.305: R3.2@-25.961,-3.971 -25.981,-3.991 -25.981,-4.84 v1(-26.001,-4.86) -25.596,-4.86 -25.107,-5.349 Q1.2@-24.998,-5.349 ; D7.K@-22.434,-9.509 D7.K@-22.176,-9.509 ; C19.2@-16.549,-15.878 C19.2@-16.543,-15.871 ; C36.1@-14.638,16.582 -14.609,16.553 -13.384,16.553 v1(-13.355,16.525) ; v1(-14.306,-13.685) -14.306,-13.737 -13.888,-14.156 C20.2@-13.888,-14.4 ; v1@-14.147,7.688 C64.2@-13.355,7.688 ; v1@-13.716,5.662 -12.867,5.662 C58.1@-12.849,5.68 ; v1@-13.698,5.702 v1@-13.68,5.72 ; R31.1@-12.355,-24.222 v1(-11.505,-24.222) ; v1(-11.602,-15.627) -11.602,-15.179 -10.875,-14.452 -10.854,-14.44 U18.4@-10.591,-14.177 ; C33.2@-11.146,-19.826 C33.2@-11.09,-19.77 ; U19.32@-10.226,6.324 -7.926,6.324 v2(-7.326,6.924) ; v1@-10.129,-19.77 v1(-10.102,-19.742) ; C32.2@-9.883,-23.473 C32.2@-9.595,-23.473 ; v1@-9.222,-23.099 -9.047,-23.099 v1(-9.019,-23.071) ; U19.23@-9.126,9.824 -9.126,8.724 v2(-8.726,8.324) ; U19.22@-8.726,9.824 v2(-8.726,8.324) ; v1(-8.445,1.525) -8.393,1.525 v1@-8.302,1.616 ; C40.1@-7.591,-4.713 -7.498,-4.806 -5.504,-4.806 -5.503,-4.807 -4.413,-4.807 -4.369,-4.763 -4.369,-4.171 C28.1@-4.392,-4.148 ; C45.1@-7.424,-0.02 C45.1@-7.264,0.14 ; v1(-7.355,-21.037) -7.355,-20.504 -6.463,-19.612 U16.12@-6.388,-19.612 ; U19.43@-7.126,4.024 U19.49@-7.126,6.724 ; R26.1@-6.873,-17.533 cw(c-6.835,-17.533) R26.1@-6.862,-17.506 ; v1(-5.998,2.062) -5.983,2.062 C49.1@-5.548,2.497 ; U19.46@-5.926,4.024 v2(-5.926,5.524) U19.49@-7.126,6.724 ; v1(-5.638,-2.083) C26.1@-4.995,-2.083 ; RF1.1@-3.505,-1.156 RF1.1@-3.176,-0.826 ; C16.1@-1.358,-18.055 -1.273,-18.139 -1.273,-18.646 v1(-1.236,-18.684) -1.236,-18.736 -1.052,-18.92 -1.052,-19.773 U9.9@-1.05,-19.775 ; U10.9@-0.538,-10.091 -0.536,-10.088 -0.536,-9.102 v1(-0.44,-9.006) -0.44,-8.927 -0.234,-8.721 C21.1@-0.234,-7.346 ; U9.5@0.452,-23.602 0.58,-23.475 v1(0.58,-22.625) ; v1(2.127,-2.087) 2.436,-2.397 3.341,-2.397 U13.4@3.348,-2.403 ; v1(2.5,-0.95) 3,-0.95 RF1.1@3.348,-1.298 ; v1(3.199,-22.354) 3.202,-22.358 3.202,-23.199 C10.1@3.206,-23.202 ; v1(3.889,-10.34) v1@3.9,-10.33 ; U8.5@5.164,-10.33 U8.5@5.175,-10.319 ; v1(6.095,5.167) R20.2@6.095,5.827 ; C25.1@6.169,15.789 C25.1@6.17,15.788 ; v1@6.17,15.103 v1(6.171,15.102) ; C9.1@6.982,-23.268 7.002,-23.248 7.002,-22.374 v1(7.021,-22.354) ; v1(9.08,15.162) 9.09,15.152 9.09,13.86 U12.5@9.1,13.85 ; v2(10.575,3.675) 10.575,3.959 11.325,4.709 U14.5@11.325,5.575 11.325,5.695 11.88,6.25 11.945,6.25 v1(11.983,6.287) ; v1(12.078,9.989) v1@12.089,9.978 ; R16.1@12.089,9.086 R16.1@12.1,9.074 ; R14.1@12.425,-5.535 12.433,-5.542 12.433,-6.51 v1(12.44,-6.518) ; C4.2@12.543,15.368 C4.2@12.644,15.468 ; C11.1@15.128,-14.613 C14.1@15.662,-13.71 v1(16.347,-13.844) ; C5.1@16.151,8.475 C5.1@16.224,8.402 ; S1.1@17.067,19.529 17.91,18.07 S1.2@18.642,16.801 ; C6.1@17.32,14.816 v1(17.919,15.18) ; J1.A1@17.84,-2.75 17.842,-2.752 18.683,-2.752 18.706,-2.775 18.759,-2.775 18.981,-2.998 19.538,-2.998 J1.B12@19.54,-3 ; J1.A12@17.84,2.75 17.842,2.748 18.202,2.748 18.406,2.543 18.635,2.543 v1(18.672,2.505) 18.761,2.505 18.762,2.507 19.245,2.507 19.25,2.502 J1.B1@19.342,2.502 ; C3.1@17.902,11.561 C3.1@17.958,11.505 ; C1.1@20.096,10.881 C1.1@20.106,10.871 ; v1(21.655,7.895) 22.89,7.895 D1.2@23.35,7.436 22.897,6.983 v1(21.691,6.983) ; v2(-8.726,8.324) v2(-7.326,6.924) ; v2(-7.326,6.924) U19.49@-7.126,6.724
  Top w0.381: v1(-22.841,-9.926) -22.343,-9.639 D7.K@-22.176,-9.509 ; v1(-22.261,-11.01) -21.688,-10.68 D6.K@-21.487,-10.608 ; v1(-16.925,-15.125) -16.902,-15.147 -16.902,-15.258 -16.549,-15.612 C19.2@-16.549,-15.878 ; v1(-15.561,-8.904) U6.7@-14.592,-8.343 ; C34.1@-14.778,-18.398 C35.1@-13.862,-17.845 v1(-13.245,-17.596) ; C62.1@-13.532,11.033 -12.027,11.033 -11.98,10.986 C66.1@-11.98,9.945 ; v1(-11.903,13.435) -11.876,13.461 -11.124,13.461 C48.1@-11.097,13.488 C51.1@-10.078,13.488 C53.1@-9.059,13.488 -8.995,13.424 -8.714,13.424 -8.121,12.832 -8.095,12.832 -7.587,12.324 v1(-7.581,12.324) ; v1(-11.816,15.358) -11.81,15.352 -11.103,15.352 C42.1@-11.097,15.346 C46.1@-10.085,15.346 C50.1@-9.074,15.346 -8.151,15.346 -8.094,15.29 v1(-8.055,15.29) -8.041,15.276 -8.041,14.685 C52.1@-8.027,14.671 ; J3.3@-11.416,23.518 -11.416,21.285 -11.398,21.268 -10.816,21.268 -10.806,21.258 -10.806,20.717 -10.744,20.655 v1(-10.744,20.623) ; C33.2@-11.09,-19.77 v1@-10.129,-19.77 ; C41.1@-10.928,10.795 -10.928,11.434 -10.84,11.523 v1(-10.84,11.576) -10.818,11.598 -9.97,11.598 C56.1@-9.948,11.62 ; C32.2@-9.595,-23.473 v1@-9.222,-23.099 ; U17.2@-8.664,-17.155 -8.478,-17.058 v1(-7.666,-16.678) ; v1(-8.39,-0.02) C45.1@-7.424,-0.02 ; v1@-8.302,1.616 C61.1@-7.606,1.616 ; v1(-6.873,-18.151) R26.1@-6.873,-17.533 ; v1(-5.998,2.062) -5.975,2.039 -5.975,1.831 C63.1@-5.652,1.508 ; R27.2@-5.254,-23.931 v1(-4.889,-24.51) ; v1(-3.434,20.58) -3.41,20.58 -2.983,21.007 -2.983,23.431 J3.2@-2.896,23.518 ; U10.5@0.962,-14.491 0.962,-15.061 0.964,-15.063 1.233,-15.063 1.412,-15.242 v1(1.451,-15.242) ; R12.2@1.488,-17.587 R12.2@1.49,-17.584 1.49,-18.211 1.295,-18.406 v1(1.295,-18.445) 1.335,-18.445 1.517,-18.628 2.127,-18.628 2.249,-18.75 U4.3@2.249,-18.954 ; C13.1@2.317,-15.01 4.043,-15.01 v1(4.06,-14.993) ; v1@3.9,-10.33 U8.5@5.164,-10.33 ; R9.2@4.955,-17.545 R9.2@5.042,-17.457 5.144,-17.559 5.144,-18.038 5.221,-18.115 v1(5.221,-18.154) 5.249,-18.182 5.524,-18.182 6.071,-18.729 U5.3@6.071,-18.954 ; v1@6.17,15.103 C25.1@6.17,15.788 ; SYNC.1@6.354,22.158 6.354,21.943 6.641,21.655 C31.2@6.641,20.656 ; v1(7.62,15.936) 7.62,15.975 7.983,16.339 7.983,16.949 U15.2@8.03,16.997 ; C30.1@11.636,0.444 11.983,0.791 11.983,0.987 v1(12.006,1.009) ; C30.1@11.64,0.44 11.634,0.434 11.634,-0.108 v1(11.632,-0.11) 11.638,-0.117 11.638,-0.653 C29.1@11.645,-0.66 11.645,-1.293 12.362,-2.011 C27.2@12.375,-2.011 ; v1(11.78,14.972) 12.315,15.281 C4.2@12.543,15.368 ; R16.1@12.089,9.086 v1@12.089,9.978 ; v1(12.418,18.039) 12.774,17.423 C2.2@12.918,17.228 ; U2.5@14.258,16.585 14.59,16.009 U2.7@14.745,15.741 ; v1(15.084,1.339) 15.086,1.342 16.607,1.342 D4.3@16.609,1.344 ; D5.8@15.791,4.514 v1@17.311,4.514 ; D3.8@15.881,-3.615 15.889,-3.608 15.889,-2.138 v1(15.896,-2.13) ; v1@16.347,-13.876 v1(16.347,-13.844) ; R7.1@19.068,-16.354 19.068,-16.275 19.458,-15.884 19.458,-15.586 v1(19.481,-15.563) U7.4@19.955,-14.427 ; D2.3@22.595,-6.251 22.604,-6.241 22.604,-4.669 v1(22.616,-4.657)
  Top w0.406: C47.1@-5.437,12.356 -5.437,13.051 -5.389,13.099 v1(-5.389,13.111) ; v1(-3.009,3.247) -3.009,3.222 -2.826,3.038 -2.826,2.548 C43.1@-2.775,2.497 ; C57.1@-2.262,9.84 -1.41,10.692 -1.311,10.692 C44.1@-1.26,10.742 v1(-0.448,10.742) ; C39.1@-1.893,0.495 -1.84,0.495 -1.497,0.838 C39.1@-1.497,0.991 -1.501,0.994 -1.501,2.431 v1(-1.504,2.435) ; C37.1@-1.459,5.705 -1.408,5.756 -0.843,5.756 v1(-0.44,6.159) -0.951,6.671 -1.408,6.671 C38.1@-1.459,6.721 ; C65.1@-1.45,4.717 -1.428,4.695 -1.428,3.929 v1(-1.419,3.92) ; R35.1@0.441,5.255 0.487,5.302 0.487,5.909 v1(0.496,5.917) ; C55.1@0.601,9.528 0.64,9.489 0.64,8.87 v1(0.649,8.862)
  Top w0.5: v1(-25.969,3.667) -25.484,4.22 D9.K@-24.999,4.774 -24.337,5.923 D11.K@-23.635,7.141
  Top w0.508: v1(5.418,-7.22) U11.5@5.418,-6
  Bottom w0.305: v1@12.425,-6.502 v1(12.44,-6.518)
  Bottom w0.381: J3.5@-11.416,23.518 -11.398,23.5 -11.398,20.846 -11.198,20.646 -10.767,20.646 v1(-10.744,20.623) ; J3.4@-2.896,23.518 -2.849,23.471 -2.849,21.199 v1(-2.236,20.585) v1(-2.236,20.585) ; v1(23.644,1.086) 23.644,0.2 RS.1@23.681,0.163
  other v1: -7.538,-21.72 -6.672,-21.22 -8.038,-20.853 -7.172,-20.353 -4.801,-17.5 -6.482,-16.132 13.062,-14.685 -19.234,-14.369 13.575,-12.522 12.799,-12.323 -17.999,-11.468 13.739,-10.511 -5.228,-10.116 12.436,-9.59 16.524,-7.788 17.576,-7.788 8.248,-7.182 -4.806,-7.01 17.576,-6.838 16.533,-6.688 -4.346,-4.78 22.776,-3.333 18.73,-2.775 21.895,-2.329 21.882,-1.024 20.714,-0.971 -15.7,-0.95 -10.35,-0.95 -2.85,-0.95 -16.85,0.2 3.65,0.2 -9.733,1.874 -25.55,4.15 17.313,4.516 -16.85,5.55 3.65,5.55 -13.725,5.702 16.787,7.094 15.962,7.11 -14.111,7.745 15.961,9.539 -21.952,10.005 21.822,10.747 -11.932,10.978 16.972,11.383 15.735,11.534 21.814,11.624 -16.85,13.05 3.65,13.05 -5.401,14.003 -7.259,14.232 -18.227,14.394 -5.378,14.873 14.269,15.466 -8.081,16.018 15.221,16.016 -5.242,16.065 -5.269,17.144 -7.982,17.191 17.82,18.253 -8.018,18.375 -16.85,18.4 -6.481,18.393 -5.095,18.393 3.65,18.4 -15.7,19.55 -10.35,19.55 -2.85,19.55 2.5,19.55 -8.008,19.742 -6.332,19.805 -11.942,20.618
  other v2: 10.575,2.675 9.575,3.675 11.575,3.675 10.575,4.675 -8.726,5.524 -7.326,5.524 -8.726,6.924 -5.926,6.925 -7.326,8.324 -5.926,8.324 -20.506,11.003 -21.199,11.403
LED_RX: R33.2 U19.36 | length 12.3
  Top w0.203: v1(-11.942,3.254) -11.696,3.254 -10.475,4.474 -10.475,4.69 -10.441,4.724 U19.36@-10.226,4.724
  Top w0.381: R33.2@-21.662,2.859 v1(-20.747,2.878)
  Bottom w0.381: v1(-20.747,2.878) -12.318,2.878 v1(-11.942,3.254)
LED_TX: R32.2 U19.35 | length 11.4
  Top w0.203: v1(-12.018,3.902) -11.999,3.902 -10.786,5.115 -10.234,5.115 U19.35@-10.226,5.124
  Top w0.381: R32.2@-21.043,4.012 v1(-20.127,4.032)
  Bottom w0.381: v1(-20.127,4.032) -20.109,4.05 -12.199,4.05 -12.051,3.902 v1(-12.018,3.902)
NetC2_1: C2.1 R40.1 S1.3 S1.4 U2.4 | length 7.8
  Top w0.203: 16.018,17.281 ccw(c15.956,17.087) 15.89,17.279 U2.4@14.82,16.91 C2.1@14.216,17.977 S1.3@15.595,18.679 15.376,19.328 cw(c15.569,19.393) 15.427,19.539 R40.1@16.123,20.214 ; 16.018,17.281 16.369,17.167 cw(c16.307,16.974) 16.48,17.08 S1.4@17.17,15.951
NetC6_2: C6.2 U2.3 | length 1.2
  Top w0.152: U2.3@15.795,15.16 U2.3@15.795,15.221 ; C6.2@16.55,14.371 C6.2@16.55,14.405
  Top w0.254: U2.3@15.795,15.16 C6.2@16.55,14.405
NetC19_1: C19.1 C20.1 R8.1 U6.1 U6.4 | length 10.9
  Top w0.305: C19.1@-15.251,-15.128 -15.155,-15.224 -14.701,-15.224 -14.679,-15.245 -13.598,-15.245 -12.673,-14.321 -12.673,-13.734 -12.481,-13.542 -12.171,-13.542 -11.203,-12.574 R8.1@-11.203,-12.014 -11.305,-11.993 -11.307,-11.993 -12.361,-11.778 -12.484,-11.655 U6.1@-12.642,-11.72 -13.391,-12.128 -13.434,-12.138 cw(c-13.503,-11.841) -13.771,-11.986 -14.408,-10.824 cw(c-14.141,-10.678) -14.299,-10.417 U6.4@-14.12,-10.308
NetC56_2: C56.2 C63.2 U19.20 U19.44 | length 14.2
  Top w0.152: C56.2@-9.059,11.62 -8.44,11.001 v1(-8.352,11.001) -8.399,11.001 -8.439,10.961 -7.926,10.448 U19.20@-7.926,9.824 ; U19.44@-6.726,4.024 -6.726,3.659 -6.812,3.572 -6.812,3.093 -6.883,3.022 v1(-6.883,2.538) -6.541,2.196 C63.2@-6.541,1.508
  Bottom w0.305: v1(-8.352,11.001) -8.222,10.871 -8.222,4.088 -7.385,3.251 -7.385,3.04 v1(-6.883,2.538)
NetC58_2: C58.2 U19.31 | length 2.4
  Top w0.152: C58.2@-11.96,5.68 -11.928,5.713 -11.928,6.038 -11.248,6.718 -10.923,6.718 -10.917,6.724 U19.31@-10.226,6.724
NetC59_1: C59.1 T1.4 | length 1.4
  Top w0.305: C59.1@-6.001,16.513 -6.001,17.74 -5.998,17.743 T1.4@-5.831,17.743
NetC60_1: C60.1 T1.3 | length 1.3
  Top w0.305: T1.3@-7.131,17.743 -7.061,17.743 -7.059,17.74 C60.1@-7.059,16.513
NetC61_2: C61.2 U19.42 | length 1.6
  Top w0.152: C61.2@-7.606,2.505 -7.606,3.128 -7.526,3.208 U19.42@-7.526,4.024
NetC64_1: C64.1 U19.28 | length 2.4
  Top w0.152: C64.1@-12.466,7.688 -12.265,7.889 -12.083,7.889 -12.055,7.861 -10.289,7.861 U19.28@-10.226,7.924
NetC65_2: C65.2 U19.4 | length 2.7
  Top w0.152: U19.4@-4.403,5.917 -4.37,5.884 -3.505,5.884 -3.272,5.65 -3.272,5.456 -2.734,4.918 -2.655,4.839 -2.461,4.839 C65.2@-2.339,4.717
NetC67_2: C67.2 R37.2 U19.12 | length 2.8
  Top w0.152: U19.12@-4.403,9.117 U19.12@-4.371,9.15
  Top w0.254: U19.12@-4.371,9.15 C67.2@-4.371,10.849
  Top w0.305: C67.2@-4.371,10.849 R37.2@-4.371,11.874
NetC68_2: C68.2 R36.2 | length 1
  Top w0.152: C68.2@-0.997,8.608 C68.2@-0.993,8.604 ; R36.2@-0.993,7.638 R36.2@-0.989,7.634
  Top w0.406: R36.2@-0.993,7.638 C68.2@-0.993,8.604
NetC69_1: C69.1 R36.1 U19.8 | length 2.6
  Top w0.152: U19.8@-4.403,7.517 -3.11,7.517 -2.912,7.715 C69.1@-2.871,7.715 C69.1@-2.831,7.675 ; R36.1@-1.918,7.675 R36.1@-1.878,7.634
  Top w0.406: C69.1@-2.831,7.675 R36.1@-1.918,7.675
NetC70_2: C70.2 R37.1 | length 1.1
  Top w0.152: R37.1@-3.482,11.874 R37.1@-3.416,11.808 ; C70.2@-2.486,11.808 C70.2@-2.421,11.743
  Top w0.305: R37.1@-3.416,11.808 C70.2@-2.486,11.808
NetD6_A: D6.A R1.1 | length 1.2
  Top w0.305: D6.A@-20.058,-9.783 R1.1@-19.028,-9.177
NetD7_A: D7.A R2.1 | length 1.2
  Top w0.305: D7.A@-20.747,-8.684 R2.1@-19.789,-8.025
NetD8_A: D8.A R4.2 | length 1.3
  Top w0.305: D8.A@-21.345,-7.493 R4.2@-20.347,-6.729
NetD8_K: D8.K Q1.3 | length 1.9
  Top w0.305: Q1.3@-23.175,-6.606 -23.241,-6.988 -22.684,-7.98 D8.K@-22.774,-8.318
NetD9_A: D9.A R33.1 | length 1.2
  Top w0.406: D9.A@-23.527,3.924 R33.1@-22.451,3.294
NetD10_A: D10.A R32.1 | length 1.2
  Top w0.406: D10.A@-22.889,5.087 R32.1@-21.813,4.457
NetD11_A: D11.A R34.1 | length 1.2
  Top w0.406: D11.A@-22.206,6.316 R34.1@-21.13,5.687
NetJ1_1: J1.1 J1.2 J1.3 J1.4 RS.2 | length 3
  Top w0.305: J1.1@19.75,-4.13 J1.1@20.04,-4.13
  Bottom w0.381: v1(25.289,-0.761) v1(25.289,1.043) RS.2@25.289,0.139
NetJ3_1: J3.1 T1.1 | length 4.1
  Top w0.305: J3.1@-7.156,23.168 -7.131,23.143 T1.1@-7.131,19.043
NetR7_2: R7.2 U7.3 | length 2.5
  Top w0.216: R7.2@18.224,-15.909 18.224,-15.858 18.58,-15.502 18.58,-14.067 U7.3@18.855,-13.792
  Top w0.381: R7.2@18.224,-15.909 R7.2@18.298,-15.909
NetR10_1: R10.1 U10.4 | length 3.6
  Top w0.305: U10.4@0.462,-14.491 0.462,-13.175 0.797,-12.841 R10.1@2.653,-12.841
NetR10_2: R10.2 U8.7 | length 1.6
  Top w0.152: R10.2@3.542,-12.841 R10.2@3.551,-12.85 ; U8.7@5.166,-12.85 U8.7@5.175,-12.859
  Top w0.254: R10.2@3.551,-12.85 U8.7@5.166,-12.85
NetR11_1: R11.1 U10.6 | length 3.1
  Top w0.305: U10.6@0.962,-10.091 0.962,-11.301 1.25,-11.589 R11.1@2.705,-11.589
NetR11_2: R11.2 U8.6 | length 1.6
  Top w0.254: R11.2@3.594,-11.589 U8.6@5.175,-11.589
NetR19_1: R19.1 U12.1 | length 1.7
  Top w0.152: R19.1@4.948,6.716 5.078,6.847 5.078,6.983 5.29,7.194 U12.1@5.29,8.25
NetR20_1: R20.1 U12.2 | length 1.7
  Top w0.152: R20.1@6.095,6.716 6.56,7.181 U12.2@6.56,8.25
NetR23_1: R23.1 U13.2 | length 3.1
  Top w0.254: R23.1@2.488,-5.775 2.488,-4.975 2.298,-4.785 2.298,-3.95 2.447,-3.801 3.25,-3.801 U13.2@3.348,-3.703
NetR24_1: R24.1 U15.6 | length 4
  Top w0.254: R24.1@4.261,21.214 4.99,20.484 5.382,20.484 6.67,19.197 U15.6@7.381,19.197
NetR27_1: R27.1 U16.7 | length 1.2
  Top w0.152: U16.7@-6.364,-22.254 -6.364,-22.287 -5.765,-22.886 -5.765,-23.095 R27.1@-5.699,-23.161
NetR28_1: R28.1 U16.8 | length 1.4
  Top w0.152: U16.8@-5.931,-22.004 -5.918,-22.004 -5.657,-22.265 -5.151,-22.265 R28.1@-4.791,-22.625
NetR35_2: R35.2 U19.5 | length 4.6
  Top w0.152: U19.5@-4.403,6.317 -4.37,6.284 -3.357,6.284 -2.967,5.893 -2.967,5.582 -2.608,5.223 -1.2,5.223 -1.142,5.28 -0.473,5.28 R35.2@-0.448,5.255
NetR38_2: R38.2 U19.30 | length 2.4
  Top w0.152: R38.2@-12.452,6.717 -12.384,6.785 -11.814,6.785 -11.644,6.956 -11.38,6.956 -11.313,7.022 -11.049,7.022 -10.948,7.124 U19.30@-10.226,7.124